# Altium PCB DL4-1BA.PcbDoc (part 1 of 5)
Units mm, origin at the board's own origin, x right, y up, seen from the top; angles counter-clockwise.
Board outline 200 x 80 mm, 4 copper layers (Top Layer, Mid 1 (GND), Mid 2 (PWR), Bottom Layer), stack 1.586 mm thick; 466 components, 326 nets, 1491 pads, 494 vias.
Unrouted connection lines stored in the file: 2.
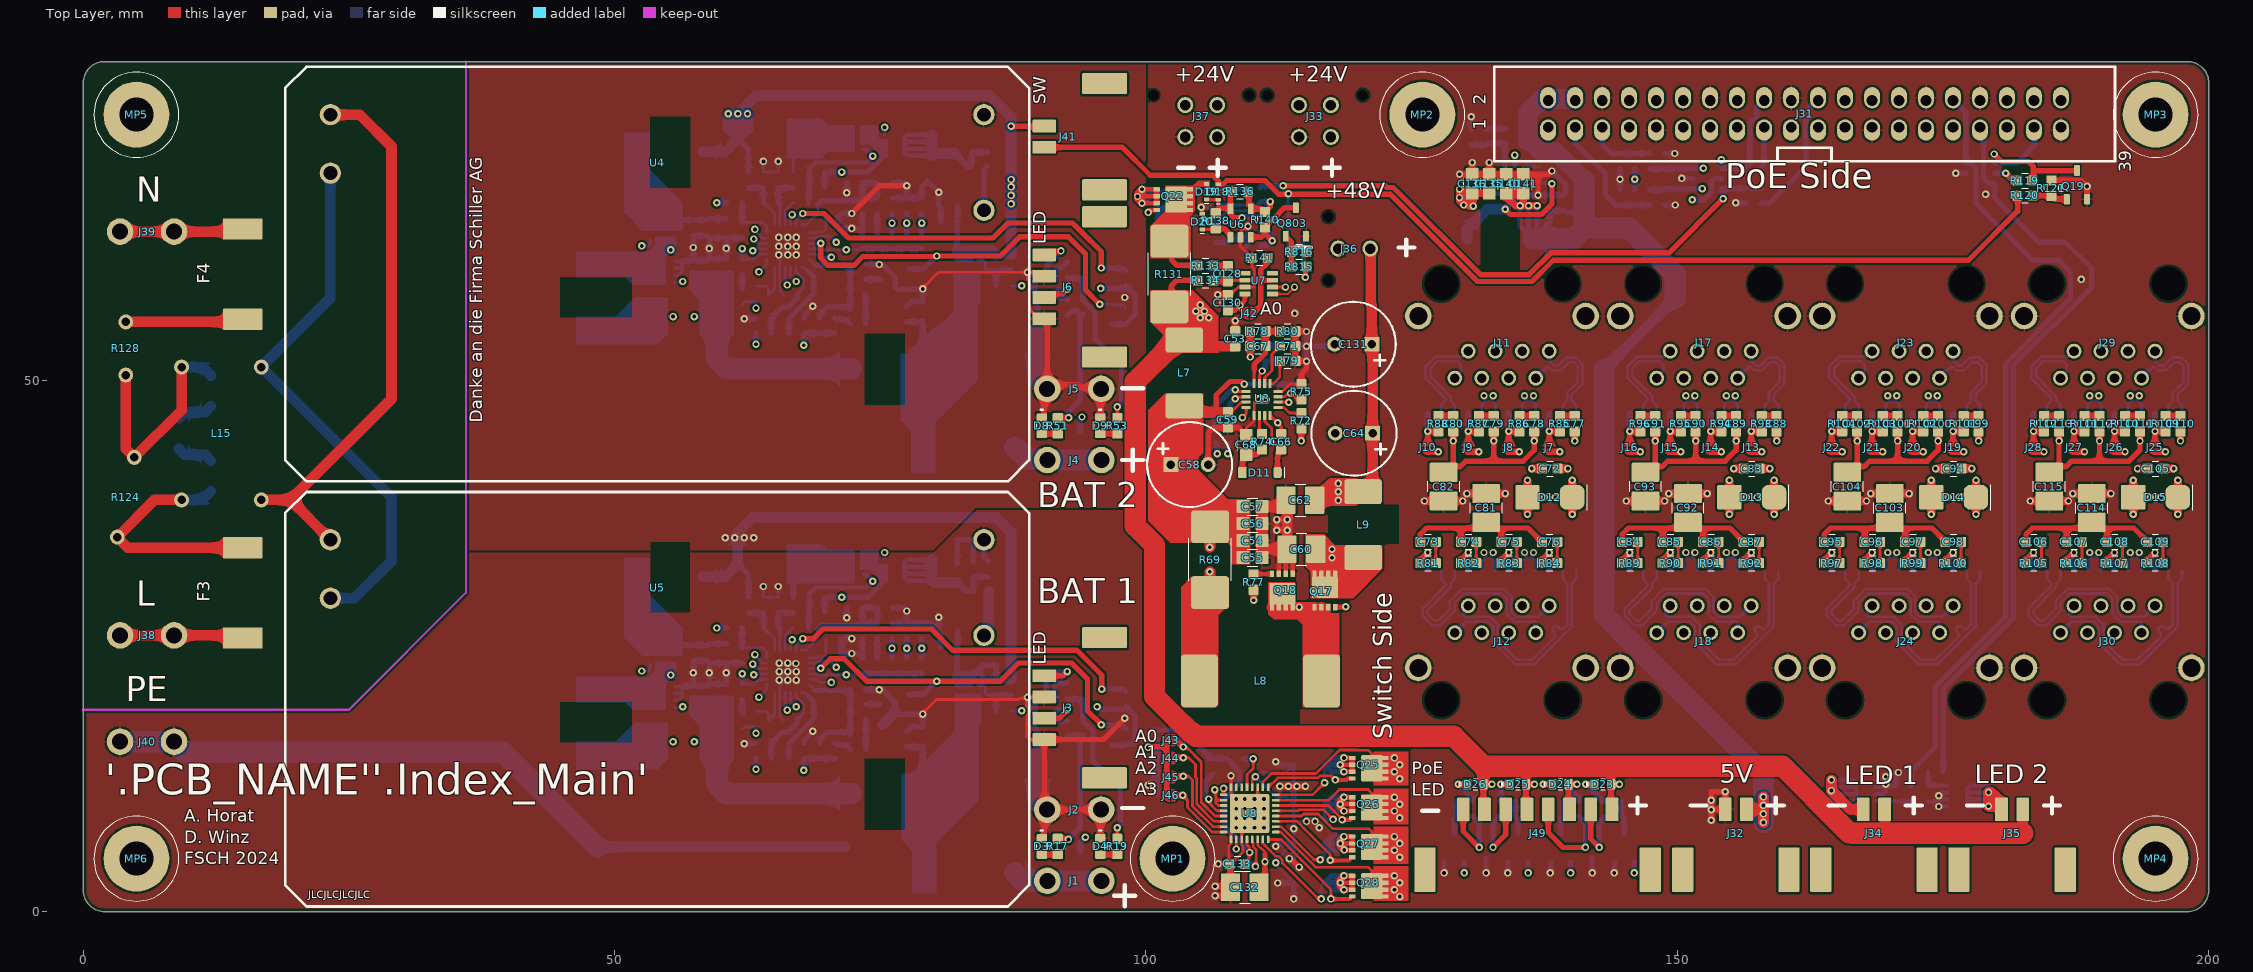
[diagram p0: Top Layer view]
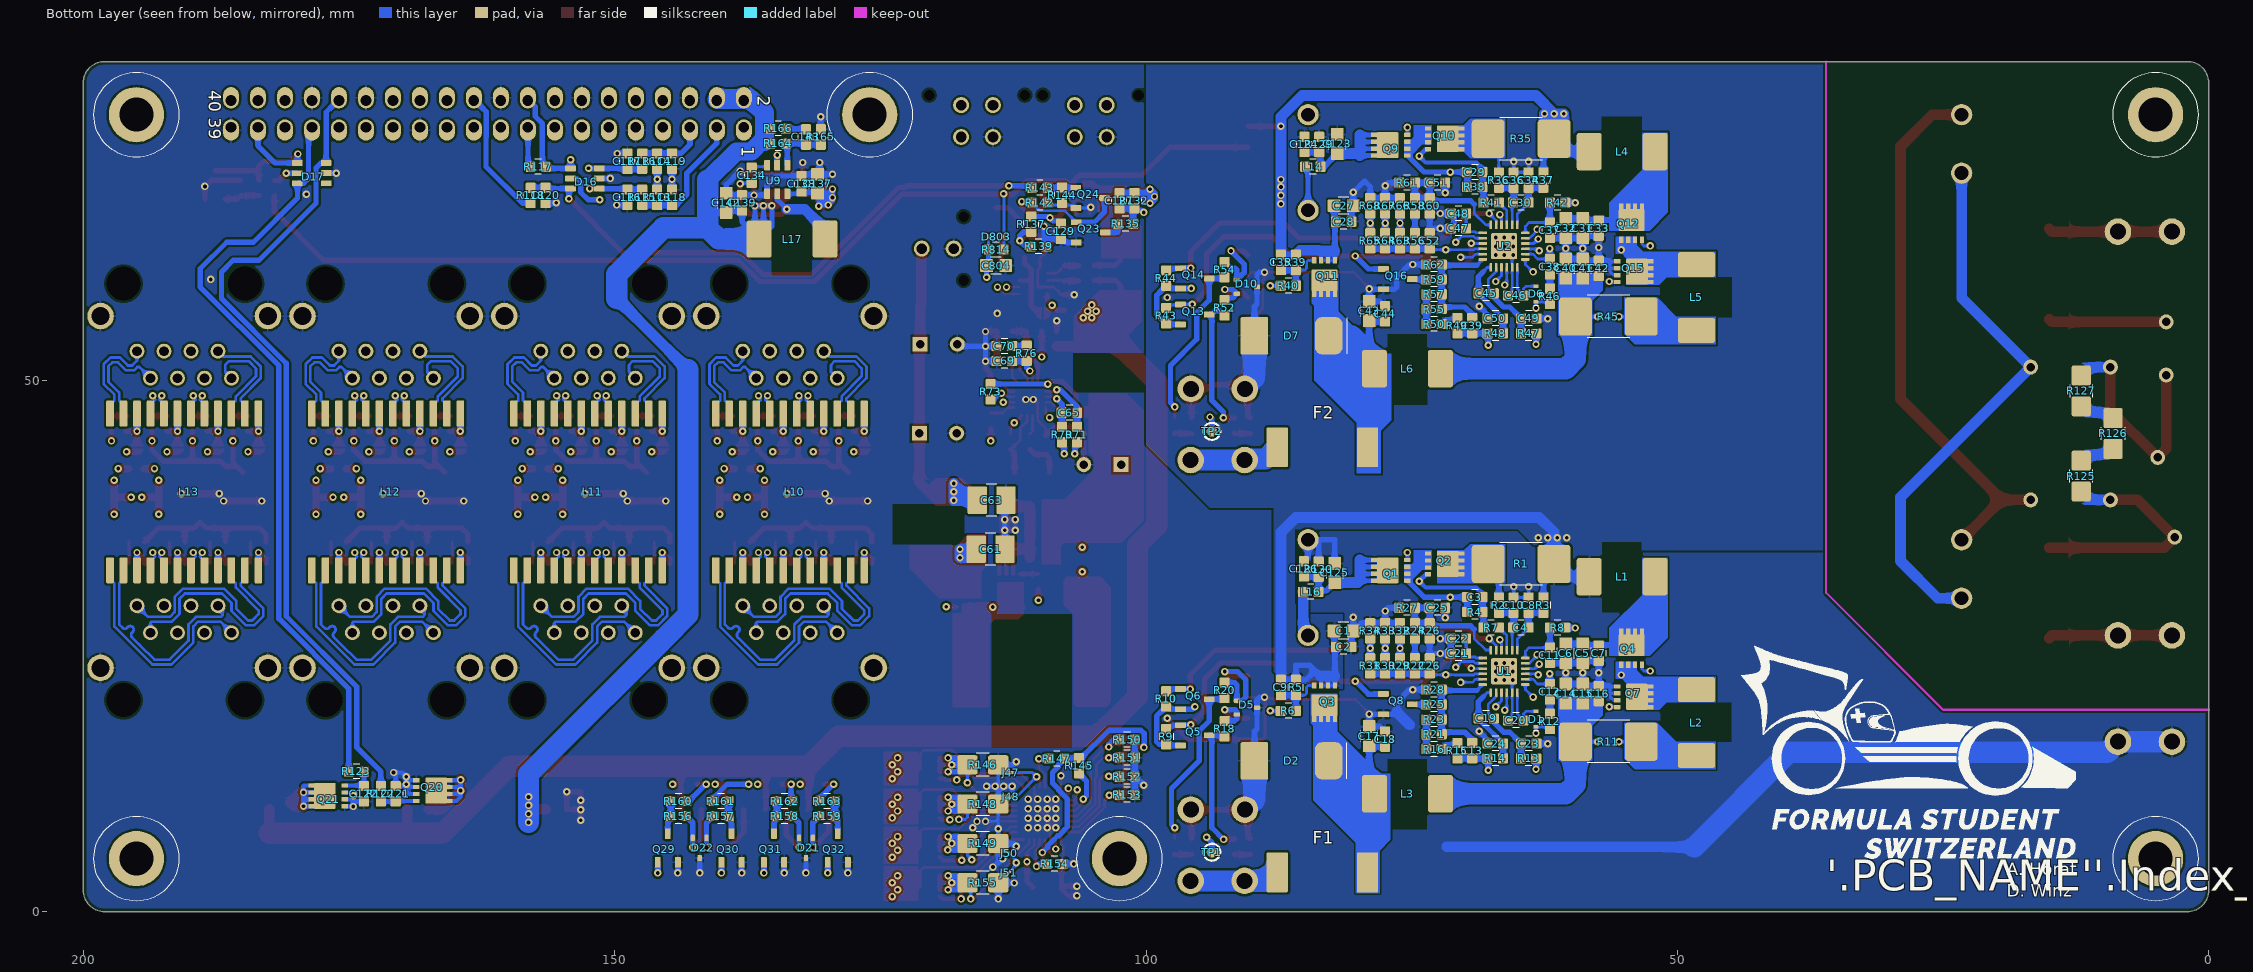
[diagram p1: Bottom Layer view, seen from below]
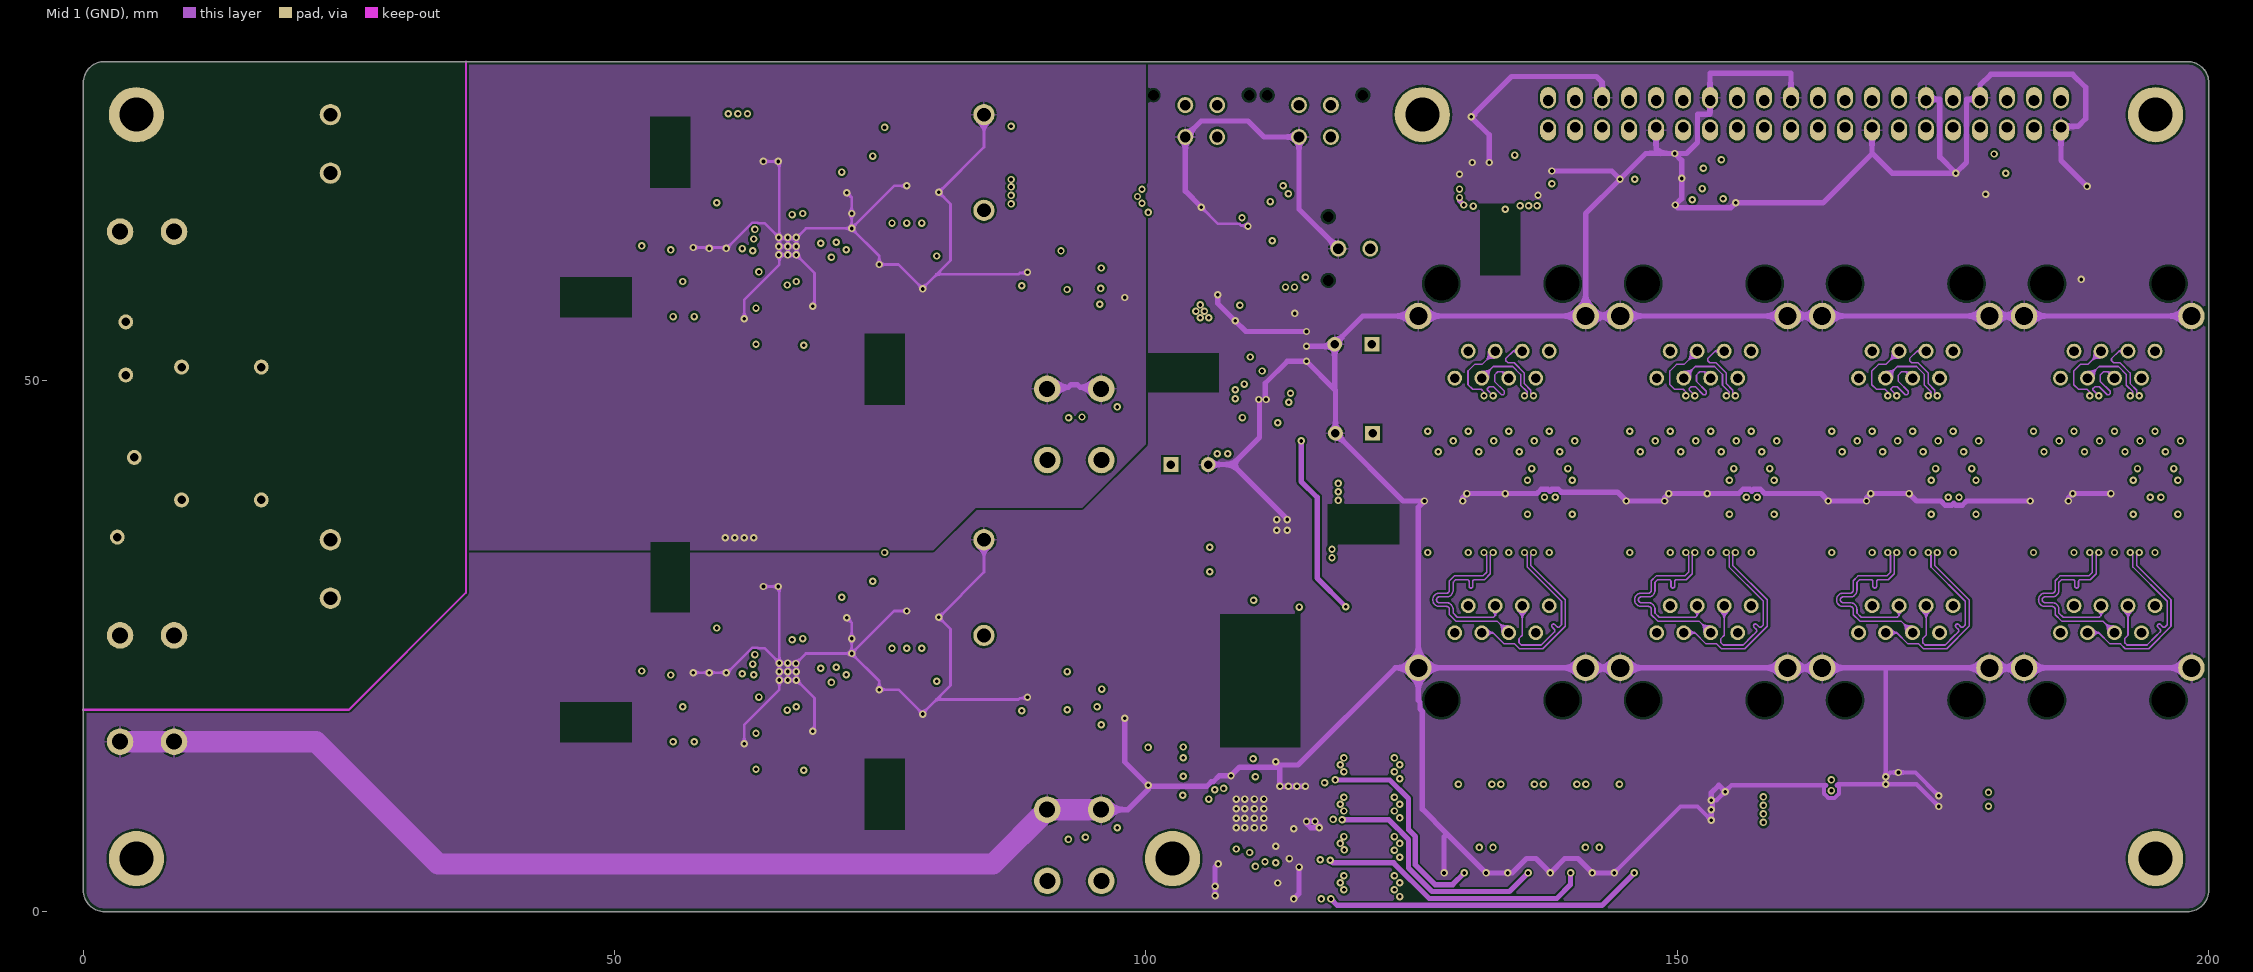
[diagram p2: Mid 1 (GND)]
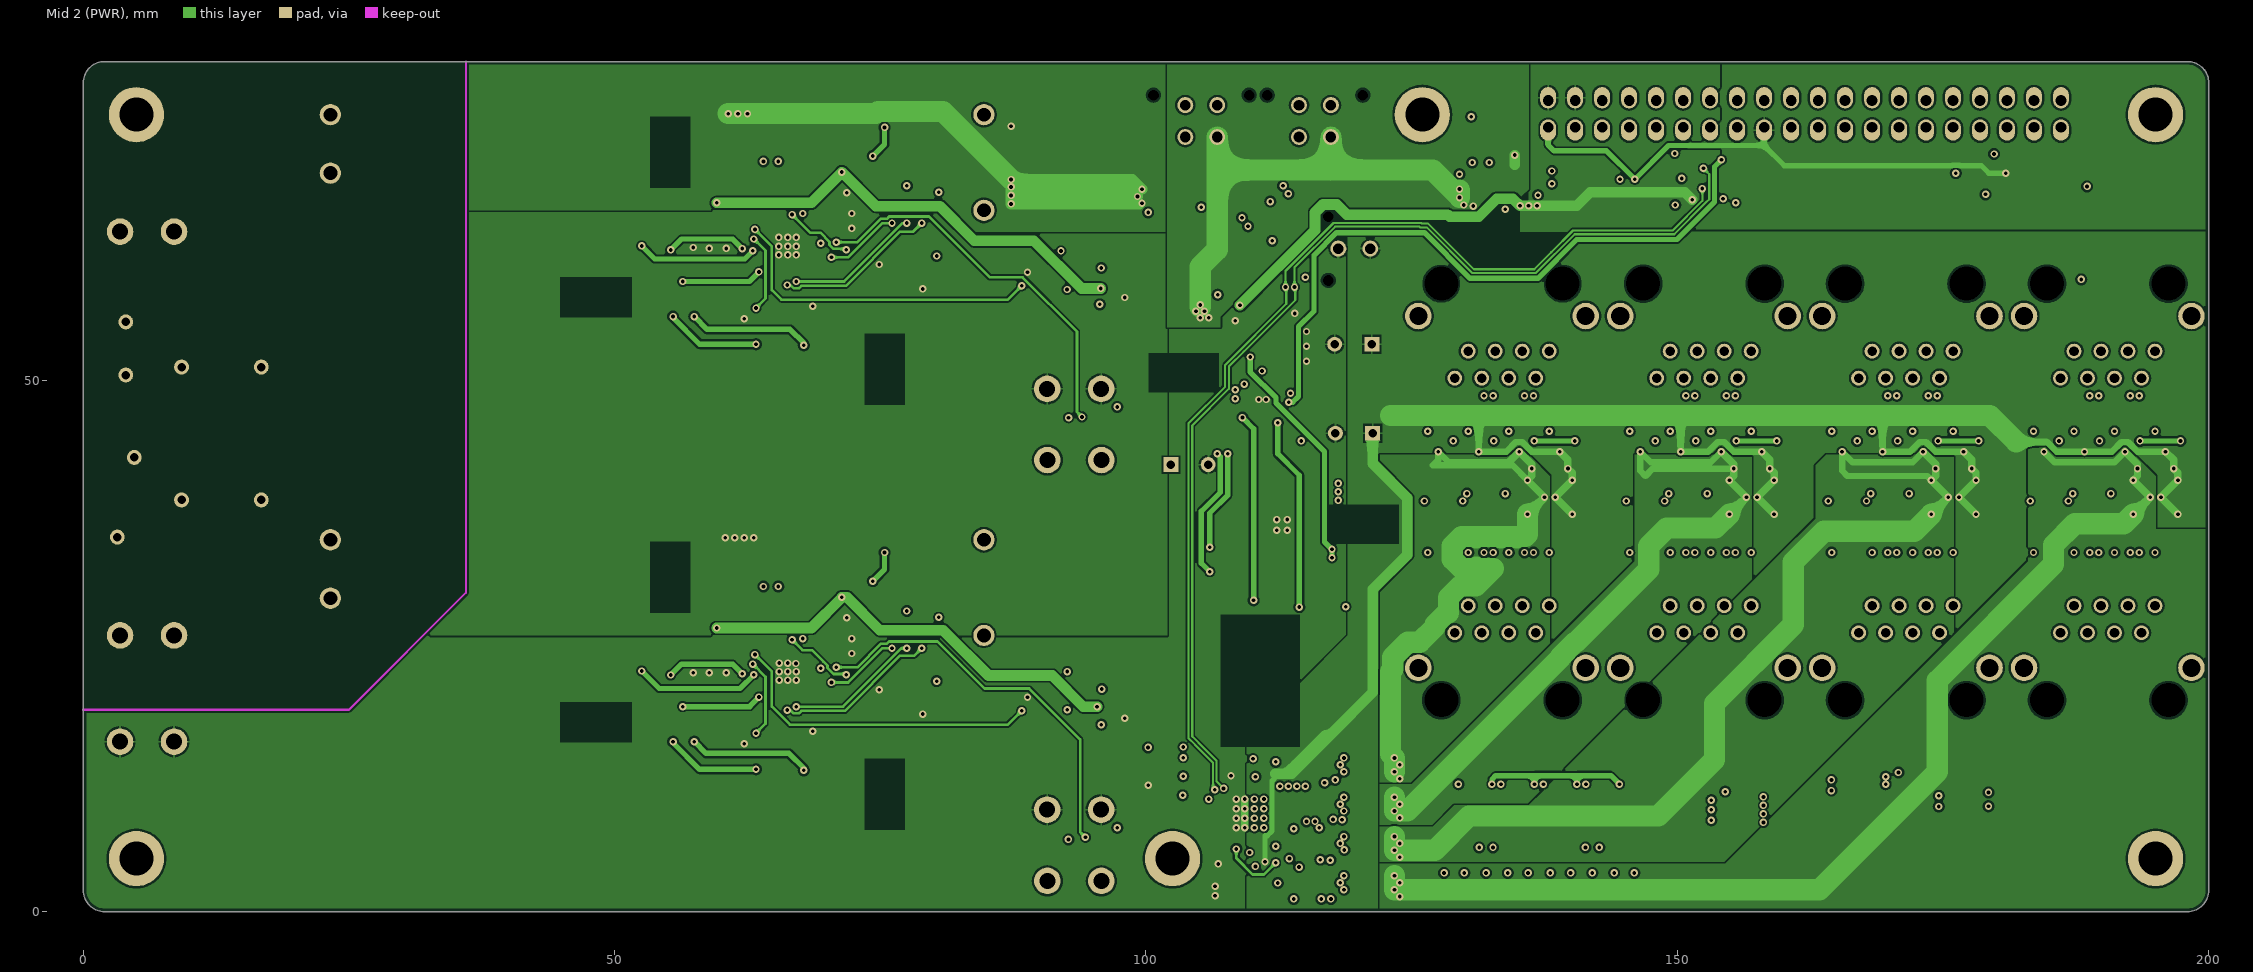
[diagram p3: Mid 2 (PWR)]
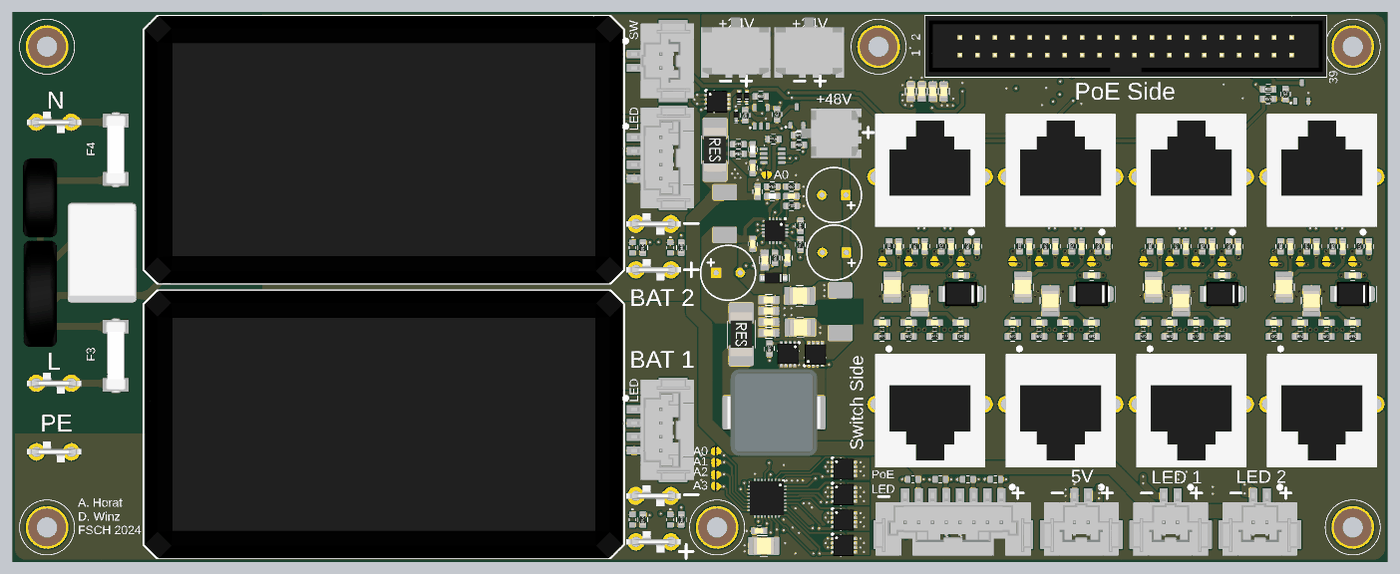
[diagram p8: 3D render of the assembled board from above, using the file's embedded part models]
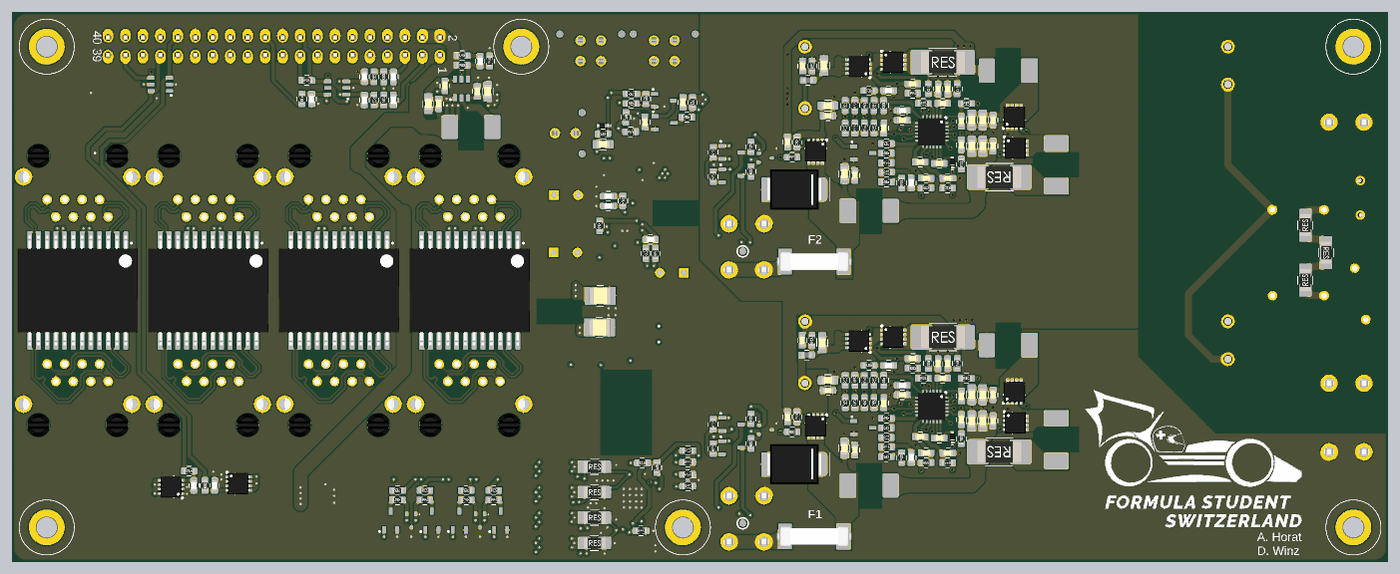
[diagram p9: 3D render of the assembled board from below, using the file's embedded part models]

## Layer stack, top to bottom
Top Solder: solder mask 0.0102, Solder Resist, Dk 3.5
Top Layer: signal copper 0.035
Dielectric 2: prepreg 0.2104, PP-006, Dk 4.1
Mid 1 (GND): signal copper 0.0152
Dielectric 1: dielectric 1.065, FR-4, Dk 4.8
Mid 2 (PWR): signal copper 0.0152
Dielectric 3: prepreg 0.2104, PP-006, Dk 4.1
Bottom Layer: signal copper 0.035
Bottom Solder: solder mask 0.0102, Solder Resist, Dk 3.5

## Board outline
0,2 ccw(c2,2) 2,0 198,0 ccw(c198,2) 200,2 200,78 ccw(c198,78) 198,80 2,80 ccw(c2,78) 0,78

## Design rules (kind name [scope] priority, off if disabled: settings)
BoardOutlineClearance [All] p1: gap=0.3 ignorepadtopadclearanceinfootprint=FALSE except(0: Arc-SplitContinuation Track-SplitContinuation SMDPad-SplitContinuation THPad-SplitContinuation Via-SplitContinuation Fill-SplitContinuation Poly-SplitContinuation Region-SplitContinuation Text-SplitContinuation)
Clearance Clearance_Nettie [InNet('NetJ50_1') or InNet('NetJ47_1') vs InNet('GND')] p1: gap=0 ignorepadtopadclearanceinfootprint=TRUE except(0.25: Arc-Poly Track-Poly SMDPad-Poly THPad-Poly Via-Poly Fill-Poly Poly-Poly)
Clearance Clearance_1 [All] p2: gap=0.2 ignorepadtopadclearanceinfootprint=FALSE except(0: Arc-Hole Track-Hole SMDPad-Hole THPad-Hole Via-Hole Fill-Hole Poly-Hole Region-Hole Text-Hole; 0.15: Arc-Arc Arc-Track Arc-SMDPad Arc-THPad Arc-Via Arc-Text Track-Track Track-SMDPad Track-THPad Track-Via Track-Text SMDPad-SMDPad SMDPad-THPad SMDPad-Via SMDPad-Text THPad-THPad THPad-Via THPad-Text Via-Via Via-Text Text-Text)
Clearance Clearance_LN1 [InNet('LN1') vs InNet('LN2')or InNet('L_f')] p3: gap=1 ignorepadtopadclearanceinfootprint=FALSE except(0: Arc-Hole Track-Hole SMDPad-Hole THPad-Hole Via-Hole Fill-Hole Poly-Hole Region-Hole Text-Hole)
Clearance Clearance_LN2 [InNet('LN2') vs InNet('LN1')or InNet('N_f')] p4: gap=1 ignorepadtopadclearanceinfootprint=FALSE except(0: Arc-Hole Track-Hole SMDPad-Hole THPad-Hole Via-Hole Fill-Hole Poly-Hole Region-Hole Text-Hole)
Clearance Clearance_L_N [InNet('L') or InNet('L_f')       or InNet('L_filt') vs InNet('N') or InNet('N_f')    or InNet('N1')         or InNet('N_filt')] p5: gap=3 ignorepadtopadclearanceinfootprint=FALSE except(0: Arc-Hole Track-Hole SMDPad-Hole THPad-Hole Via-Hole Fill-Hole Poly-Hole Region-Hole Text-Hole)
Clearance Clearance_Main [InNetClass('MAIN') vs not InNetClass('MAIN')] p6: gap=5 ignorepadtopadclearanceinfootprint=FALSE except(0: Arc-Hole Track-Hole SMDPad-Hole THPad-Hole Via-Hole Fill-Hole Poly-Hole Region-Hole Text-Hole)
DiffPairsRouting DiffPairsRouting_1 [InDifferentialPairClass('Ethernet')] p1: maxlimit=0.2 minlimit=0.2 mostfreqgap=0.2 toplayer_minwidth=0.25 toplayer_maxwidth=0.25 toplayer_prefwidth=0.25 midlayer1_minwidth=0.15 midlayer1_maxwidth=0.15 midlayer1_prefwidth=0.15 midlayer2_minwidth=0.15 midlayer2_maxwidth=0.15 midlayer2_prefwidth=0.15 bottomlayer_minwidth=0.25 bottomlayer_maxwidth=0.25 bottomlayer_prefwidth=0.25 impedanceprofiledriven=TRUE impedanceprofileid={F314AFD9-4B0A-4155-A8AD-14F866BC571A} impedanceprofilevalue=100.000000 maxuncoupledlength=12.7
DiffPairsRouting [All] p2: maxlimit=0.254 minlimit=0.254 mostfreqgap=0.254 toplayer_minwidth=0.381 toplayer_maxwidth=0.381 toplayer_prefwidth=0.381 midlayer1_minwidth=0.381 midlayer1_maxwidth=0.381 midlayer1_prefwidth=0.381 midlayer2_minwidth=0.381 midlayer2_maxwidth=0.381 midlayer2_prefwidth=0.381 bottomlayer_minwidth=0.381 bottomlayer_maxwidth=0.381 bottomlayer_prefwidth=0.381 maxuncoupledlength=12.7
Height [All] p1: minheight=0 maxheight=100 prefheight=12.7
HoleSize [All] p1: absolutevalues=TRUE maxlimit=27 minlimit=0.3 maxpercent=80.000 minpercent=20.000
HoleToHoleClearance [All] p1: gap=0.3 allowstackedmicrovias=TRUE
MatchedLengths "Schematic Matched Net Lengths_5" [InNetClass('Ethernet_In')] p1: tolerance=0.05 checknetsindiffpair=TRUE checkdiffpairvsdiffpair=FALSE checkxsignals=FALSE checkothers=FALSE
MatchedLengths "Schematic Matched Net Lengths_4" [InNetClass('Ethernet_Out')] p2: tolerance=0.05 checknetsindiffpair=TRUE checkdiffpairvsdiffpair=FALSE checkxsignals=FALSE checkothers=FALSE
MatchedLengths "Schematic Matched Net Lengths_3" [InNetClass('Ethernet_In')] p3: tolerance=0.2 checknetsindiffpair=FALSE checkdiffpairvsdiffpair=TRUE checkxsignals=TRUE checkothers=TRUE
MatchedLengths "Schematic Matched Net Lengths_2" [InNetClass('Ethernet_Out')] p4: tolerance=0.2 checknetsindiffpair=FALSE checkdiffpairvsdiffpair=TRUE checkxsignals=TRUE checkothers=TRUE
MinimumSolderMaskSliver [All] p1: minsoldermaskwidth=0.1
PolygonConnect [All] p1: thpad.connectstyle=Relief thpad.reliefconductorwidth=0.2 thpad.reliefentries=4 thpad.polygonreliefangle="90 Angle" thpad.airgapwidth=0.2 smdpad.connectstyle=Relief smdpad.reliefconductorwidth=0.2 smdpad.reliefentries=4 smdpad.polygonreliefangle="90 Angle" smdpad.airgapwidth=0.2 via.connectstyle=Direct via.reliefconductorwidth=0.254 via.reliefentries=4 via.polygonreliefangle="90 Angle" via.airgapwidth=0.254
RoutingVias [All] p1: holewidth=0.35 width=0.7 viastyle="Through Hole" minholewidth=0.35 minwidth=0.7 maxholewidth=5 maxwidth=6
SilkToSilkClearance [All] p1: silktosilkclearance=0.1
SilkToSolderMaskClearance [IsPad] p1: minsilkscreentomaskgap=0.1 clearancetoexposedcopper=TRUE
SolderMaskExpansion [All] p1: expansion=0.05 istentingtop=FALSE
UnRoutedNet [All] p1: checkbadconnections=TRUE
Width [All] p1: maxlimit=5 minlimit=0.15 preferedwidth=0.2 minimp=50.000000 maximp=50.000000 favimp=50.000000
22 further rules are at their usual default settings.

## Classes and differential pairs
differential pair class Ethernet: "IN_TD0_Ethernet Channel 1" "IN_TD0_Ethernet Channel 2" "IN_TD0_Ethernet Channel 3" "IN_TD0_Ethernet Channel 4" "IN_TD1_Ethernet Channel 1" "IN_TD1_Ethernet Channel 2" "IN_TD1_Ethernet Channel 3" "IN_TD1_Ethernet Channel 4" "IN_TD2_Ethernet Channel 1" "IN_TD2_Ethernet Channel 2" "IN_TD2_Ethernet Channel 3" "IN_TD2_Ethernet Channel 4" "IN_TD3_Ethernet Channel 1" "IN_TD3_Ethernet Channel 2" "IN_TD3_Ethernet Channel 3" "IN_TD3_Ethernet Channel 4" "POE_TD0_Ethernet Channel 1" "POE_TD0_Ethernet Channel 2" "POE_TD0_Ethernet Channel 3" "POE_TD0_Ethernet Channel 4" "POE_TD1_Ethernet Channel 1" "POE_TD1_Ethernet Channel 2" "POE_TD1_Ethernet Channel 3" "POE_TD1_Ethernet Channel 4" "POE_TD2_Ethernet Channel 1" "POE_TD2_Ethernet Channel 2" "POE_TD2_Ethernet Channel 3" "POE_TD2_Ethernet Channel 4" "POE_TD3_Ethernet Channel 1" "POE_TD3_Ethernet Channel 2" "POE_TD3_Ethernet Channel 3" "POE_TD3_Ethernet Channel 4"
net class Ethernet_Out: "POE_TD0_Ethernet Channel 1_N" "POE_TD0_Ethernet Channel 1_P" "POE_TD0_Ethernet Channel 2_N" "POE_TD0_Ethernet Channel 2_P" "POE_TD0_Ethernet Channel 3_N" "POE_TD0_Ethernet Channel 3_P" "POE_TD0_Ethernet Channel 4_N" "POE_TD0_Ethernet Channel 4_P" "POE_TD1_Ethernet Channel 1_N" "POE_TD1_Ethernet Channel 1_P" "POE_TD1_Ethernet Channel 2_N" "POE_TD1_Ethernet Channel 2_P" "POE_TD1_Ethernet Channel 3_N" "POE_TD1_Ethernet Channel 3_P" "POE_TD1_Ethernet Channel 4_N" "POE_TD1_Ethernet Channel 4_P" "POE_TD2_Ethernet Channel 1_N" "POE_TD2_Ethernet Channel 1_P" "POE_TD2_Ethernet Channel 2_N" "POE_TD2_Ethernet Channel 2_P" "POE_TD2_Ethernet Channel 3_N" "POE_TD2_Ethernet Channel 3_P" "POE_TD2_Ethernet Channel 4_N" "POE_TD2_Ethernet Channel 4_P" "POE_TD3_Ethernet Channel 1_N" "POE_TD3_Ethernet Channel 1_P" "POE_TD3_Ethernet Channel 2_N" "POE_TD3_Ethernet Channel 2_P" "POE_TD3_Ethernet Channel 3_N" "POE_TD3_Ethernet Channel 3_P" "POE_TD3_Ethernet Channel 4_N" "POE_TD3_Ethernet Channel 4_P"
net class Ethernet_In: "IN_TD0_Ethernet Channel 1_N" "IN_TD0_Ethernet Channel 1_P" "IN_TD0_Ethernet Channel 2_N" "IN_TD0_Ethernet Channel 2_P" "IN_TD0_Ethernet Channel 3_N" "IN_TD0_Ethernet Channel 3_P" "IN_TD0_Ethernet Channel 4_N" "IN_TD0_Ethernet Channel 4_P" "IN_TD1_Ethernet Channel 1_N" "IN_TD1_Ethernet Channel 1_P" "IN_TD1_Ethernet Channel 2_N" "IN_TD1_Ethernet Channel 2_P" "IN_TD1_Ethernet Channel 3_N" "IN_TD1_Ethernet Channel 3_P" "IN_TD1_Ethernet Channel 4_N" "IN_TD1_Ethernet Channel 4_P" "IN_TD2_Ethernet Channel 1_N" "IN_TD2_Ethernet Channel 1_P" "IN_TD2_Ethernet Channel 2_N" "IN_TD2_Ethernet Channel 2_P" "IN_TD2_Ethernet Channel 3_N" "IN_TD2_Ethernet Channel 3_P" "IN_TD2_Ethernet Channel 4_N" "IN_TD2_Ethernet Channel 4_P" "IN_TD3_Ethernet Channel 1_N" "IN_TD3_Ethernet Channel 1_P" "IN_TD3_Ethernet Channel 2_N" "IN_TD3_Ethernet Channel 2_P" "IN_TD3_Ethernet Channel 3_N" "IN_TD3_Ethernet Channel 3_P" "IN_TD3_Ethernet Channel 4_N" "IN_TD3_Ethernet Channel 4_P"
net class MAIN: L L_f L_filt LN1 LN2 N N1 N_f N_filt
channel class Ethernet_Connector: "Ethernet Channel 1" "Ethernet Channel 2" "Ethernet Channel 3" "Ethernet Channel 4"
channel class Charger: "Charger Lower" "Charger Upper"
component class U_PoE_Injector: C131 C132 C133 D21 D22 D23 D24 D25 D26 J43 J44 J45 J46 J47 J48 J49 J50 J51 Q25 Q26 Q27 Q28 Q29 Q30 Q31 Q32 R145 R146 R147 R148 R149 R150 R151 R152 R153 R154 R155 R156 R157 R158 R159 R160 R161 R162 R163 U8
component class U_Interfaces: C116 C117 C118 C119 C120 C121 C122 D16 D17 J31 J32 J33 J34 J35 J36 J37 MP1 MP2 MP3 MP4 MP5 MP6 Q19 Q20 Q21 R113 R114 R115 R116 R117 R118 R119 R120 R121 R122 R123
component class "On/Off Controller": C127 C128 C129 C130 C804 D18 D19 D20 D803 J41 J42 Q22 Q23 Q24 Q803 R131 R132 R133 R134 R135 R136 R137 R138 R139 R140 R141 R142 R143 R144 R814 R815 R816 U6 U7
component class "Mains input": C123 C124 C125 C126 F3 F4 J38 J39 J40 L14 L15 L16 R124 R125 R126 R127 R128 R129 R130 U4 U5
component class "Ethernet Channel 4": C105 C106 C107 C108 C109 C110 C111 C112 C113 C114 C115 D15 J25 J26 J27 J28 J29 J30 L13 R105 R106 R107 R108 R109 R110 R111 R112
component class "Ethernet Channel 3": C94 C95 C96 C97 C98 C99 C100 C101 C102 C103 C104 D14 J19 J20 J21 J22 J23 J24 L12 R97 R98 R99 R100 R101 R102 R103 R104
component class "Ethernet Channel 2": C83 C84 C85 C86 C87 C88 C89 C90 C91 C92 C93 D13 J13 J14 J15 J16 J17 J18 L11 R89 R90 R91 R92 R93 R94 R95 R96
component class "Ethernet Channel 1": C72 C73 C74 C75 C76 C77 C78 C79 C80 C81 C82 D12 J7 J8 J9 J10 J11 J12 L10 R81 R82 R83 R84 R85 R86 R87 R88
component class "DC/DC Converter 48V": C53 C54 C55 C56 C57 C58 C59 C60 C61 C62 C63 C64 C65 C66 C67 C68 C69 C70 C71 D11 L7 L8 L9 Q17 Q18 R69 R70 R71 R72 R73 R74 R75 R76 R77 R78 R79 R80 U3
component class "DC/DC Converter 5V": C134 C135 C136 C137 C138 C139 C140 C141 C142 C143 L17 R164 R165 R166 U9
component class "Charger Upper": C27 C28 C29 C30 C31 C32 C33 C34 C35 C36 C37 C38 C39 C40 C41 C42 C43 C44 C45 C46 C47 C48 C49 C50 C51 C52 D6 D7 D8 D9 D10 F2 J4 J5 J6 L4 L5 L6 Q9 Q10 Q11 Q12 Q13 Q14 Q15 Q16 R35 R36 R37 R38 R39 R40 R41 R42 R43 R44 R45 R46 R47 R48 R49 R50 R51 R52 R53 R54 R55 R56 R57 R58 R59 R60 R61 R62 R63 R64 R65 R66 R67 R68 TP2 U2
component class "Charger Lower": C1 C2 C3 C4 C5 C6 C7 C8 C9 C10 C11 C12 C13 C14 C15 C16 C17 C18 C19 C20 C21 C22 C23 C24 C25 C26 D1 D2 D3 D4 D5 F1 J1 J2 J3 L1 L2 L3 Q1 Q2 Q3 Q4 Q5 Q6 Q7 Q8 R1 R2 R3 R4 R5 R6 R7 R8 R9 R10 R11 R12 R13 R14 R15 R16 R17 R18 R19 R20 R21 R22 R23 R24 R25 R26 R27 R28 R29 R30 R31 R32 R33 R34 TP1 U1
differential pair "POE_TD3_Ethernet Channel 4": +"POE_TD3_Ethernet Channel 4_P" -"POE_TD3_Ethernet Channel 4_N"
differential pair "POE_TD3_Ethernet Channel 3": +"POE_TD3_Ethernet Channel 3_P" -"POE_TD3_Ethernet Channel 3_N"
differential pair "POE_TD3_Ethernet Channel 2": +"POE_TD3_Ethernet Channel 2_P" -"POE_TD3_Ethernet Channel 2_N"
differential pair "POE_TD3_Ethernet Channel 1": +"POE_TD3_Ethernet Channel 1_P" -"POE_TD3_Ethernet Channel 1_N"
differential pair "POE_TD2_Ethernet Channel 4": +"POE_TD2_Ethernet Channel 4_P" -"POE_TD2_Ethernet Channel 4_N"
differential pair "POE_TD2_Ethernet Channel 3": +"POE_TD2_Ethernet Channel 3_P" -"POE_TD2_Ethernet Channel 3_N"
differential pair "POE_TD2_Ethernet Channel 2": +"POE_TD2_Ethernet Channel 2_P" -"POE_TD2_Ethernet Channel 2_N"
differential pair "POE_TD2_Ethernet Channel 1": +"POE_TD2_Ethernet Channel 1_P" -"POE_TD2_Ethernet Channel 1_N"
differential pair "POE_TD1_Ethernet Channel 4": +"POE_TD1_Ethernet Channel 4_P" -"POE_TD1_Ethernet Channel 4_N"
differential pair "POE_TD1_Ethernet Channel 3": +"POE_TD1_Ethernet Channel 3_P" -"POE_TD1_Ethernet Channel 3_N"
differential pair "POE_TD1_Ethernet Channel 2": +"POE_TD1_Ethernet Channel 2_P" -"POE_TD1_Ethernet Channel 2_N"
differential pair "POE_TD1_Ethernet Channel 1": +"POE_TD1_Ethernet Channel 1_P" -"POE_TD1_Ethernet Channel 1_N"
differential pair "POE_TD0_Ethernet Channel 4": +"POE_TD0_Ethernet Channel 4_P" -"POE_TD0_Ethernet Channel 4_N"